# KiCad board AudioOutputPCB_Unbalanced.kicad_pcb
title: Unbalanced Analog Audio Output Board for SmallDSP; date: 2024-01-30; rev: 2.0; company: Till Heuer
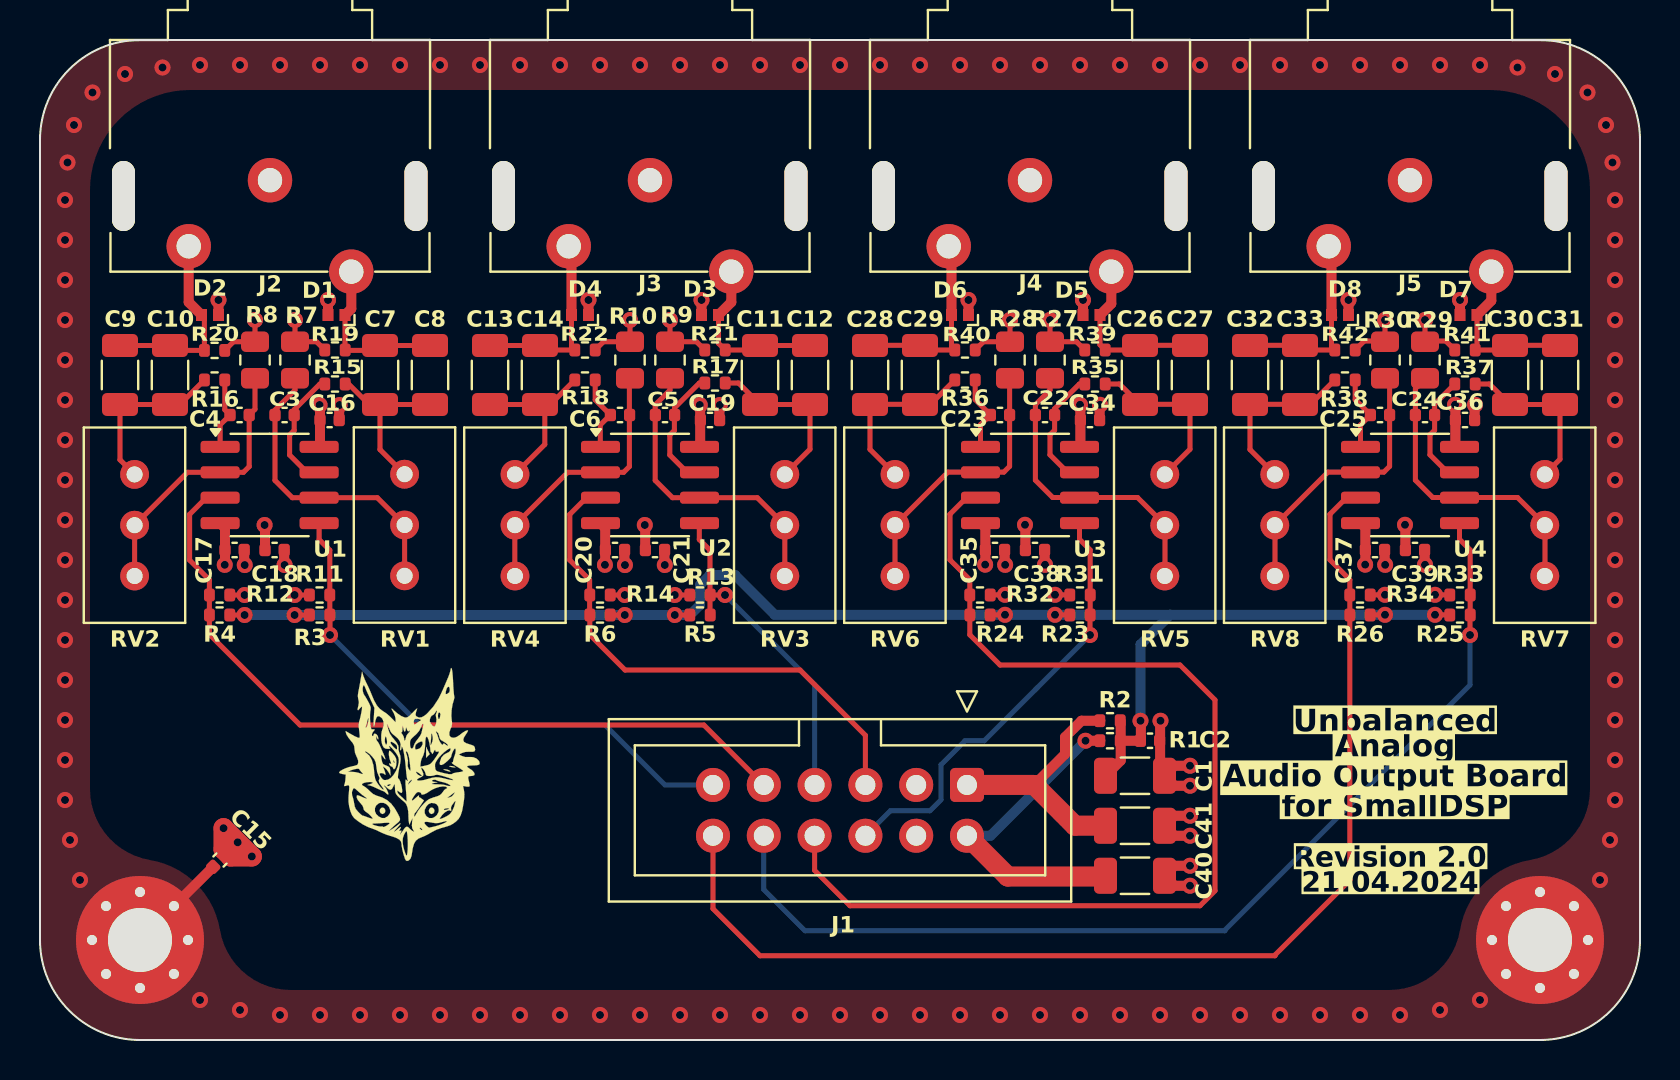
[diagram p0: board, top side]
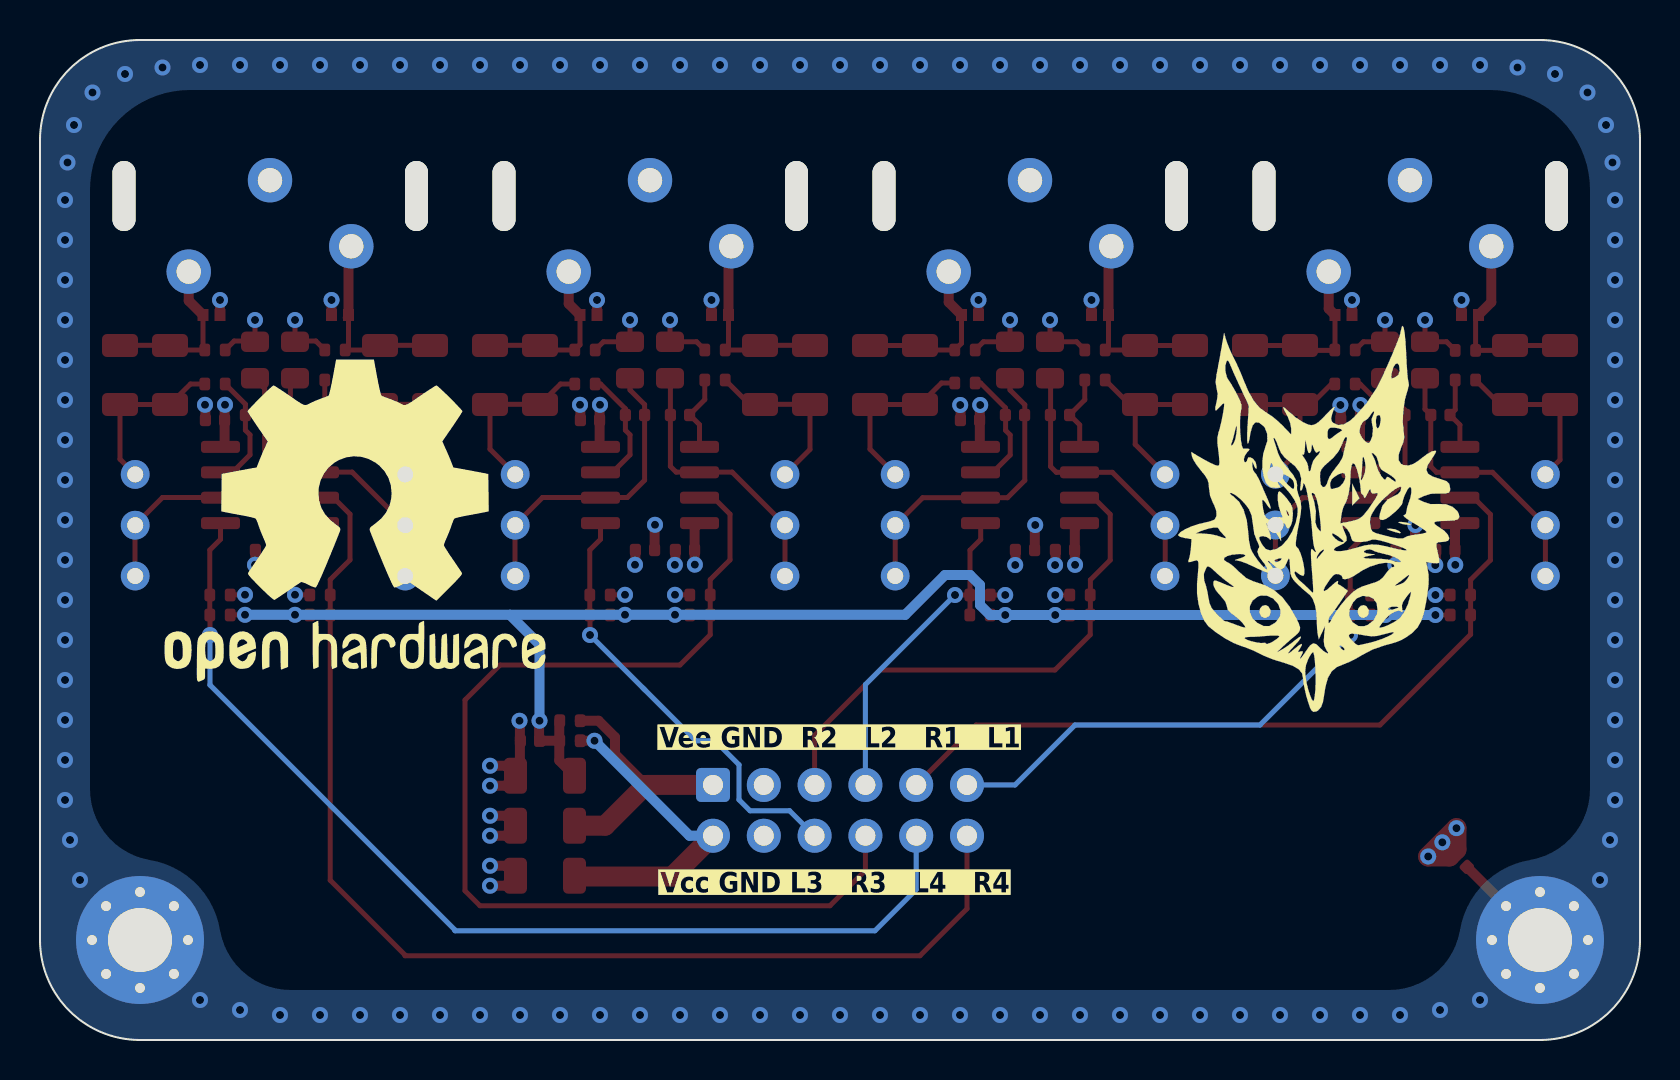
[diagram p1: board, bottom side, seen from below]

Outline 80 x 50 mm; copper layers: Top, In1.Cu, In2.Cu, Bottom. Coordinates in mm from the lower left corner of the outline.
Outline path: 0,45 0,5 arc(1.46,1.46) 5,0 75,0 arc(78.54,1.46) 80,5 80,45 arc(78.54,48.54) 75,50 5,50 arc(1.46,48.54) 0,45
Stack: Top 0.035mm / dielectric 0.1mm FR4 er 4.5 / In1.Cu 0.035mm / dielectric 1.24mm FR4 er 4.5 / In2.Cu 0.035mm / dielectric 0.1mm FR4 er 4.5 / Bottom 0.035mm

## Placement (name value [footprint] x y rotation side)
C1  10u  [C_1206_3216Metric]  54.75 13.21 180 top  (not fitted)
C2  100n  [C_0402_1005Metric]  55.5 14.96 0 top  (not fitted)
C3  10p  [C_0402_1005Metric]  12.23 31.25 0 top
C4  10p  [C_0402_1005Metric]  9.98 31.25 180 top
C5  10p  [C_0402_1005Metric]  31.25 31.25 0 top
C6  10p  [C_0402_1005Metric]  29 31.25 180 top
C7  100u  [C_1206_3216Metric]  17 33.25 90 top
C8  100u  [C_1206_3216Metric]  19.5 33.25 270 top
C9  100u  [C_1206_3216Metric]  4 33.25 90 top
C10  100u  [C_1206_3216Metric]  6.5 33.25 270 top
C11  100u  [C_1206_3216Metric]  36 33.25 90 top
C12  100u  [C_1206_3216Metric]  38.5 33.25 270 top
C13  100u  [C_1206_3216Metric]  22.5 33.25 90 top
C14  100u  [C_1206_3216Metric]  25 33.25 270 top
C15  100n  [C_0402_1005Metric]  9 9 45 top
C16  100n  [C_0402_1005Metric]  14.48 31 0 top
C17  100n  [C_0402_1005Metric]  9.73 24.5 180 top
C18  100n  [C_0402_1005Metric]  11.73 24.5 0 top
C19  100n  [C_0402_1005Metric]  33.5 31 0 top
C20  100n  [C_0402_1005Metric]  28.75 24.5 180 top
C21  100n  [C_0402_1005Metric]  30.75 24.5 0 top
C22  10p  [C_0402_1005Metric]  50.25 31.25 0 top
C23  10p  [C_0402_1005Metric]  48 31.25 180 top
C24  10p  [C_0402_1005Metric]  69.25 31.25 0 top
C25  10p  [C_0402_1005Metric]  67 31.25 180 top
C26  100u  [C_1206_3216Metric]  55 33.25 90 top
C27  100u  [C_1206_3216Metric]  57.5 33.25 270 top
C28  100u  [C_1206_3216Metric]  41.5 33.25 90 top
C29  100u  [C_1206_3216Metric]  44 33.25 270 top
C30  100u  [C_1206_3216Metric]  73.5 33.25 90 top
C31  100u  [C_1206_3216Metric]  76 33.25 270 top
C32  100u  [C_1206_3216Metric]  60.5 33.25 90 top
C33  100u  [C_1206_3216Metric]  63 33.25 270 top
C34  100n  [C_0402_1005Metric]  52.5 31 0 top
C35  100n  [C_0402_1005Metric]  47.75 24.5 180 top
C36  100n  [C_0402_1005Metric]  71.25 31 0 top
C37  100n  [C_0402_1005Metric]  66.75 24.5 180 top
C38  100n  [C_0402_1005Metric]  49.75 24.5 0 top
C39  100n  [C_0402_1005Metric]  68.75 24.5 0 top
C40  10u  [C_1206_3216Metric]  54.75 8.21 180 top
C41  10u  [C_1206_3216Metric]  54.75 10.71 0 top
D1  PESD18VF1BL  [DFN1006-2]  14.83 36.25 180 top
D2  PESD18VF1BL  [DFN1006-2]  8.5 36.25 180 top
D3  PESD18VF1BL  [DFN1006-2]  33.5 36.25 180 top
D4  PESD18VF1BL  [DFN1006-2]  27 36.25 180 top
D5  PESD18VF1BL  [DFN1006-2]  52.58 36.25 180 top
D6  PESD18VF1BL  [DFN1006-2]  46 36.25 180 top
D7  PESD18VF1BL  [DFN1006-2]  71.43 36.25 180 top
D8  PESD18VF1BL  [DFN1006-2]  65 36.25 180 top
G***  LOGO  [Strix_paint_600dpi]  18.5 13.75 0 top
G***#2  LOGO  [OpenHardware_600dpi]  64.25 26 180 bottom
G***#3  LOGO  [Strix_paint_300dpi]  16 26 180 bottom
H1  MountingHole_Pad  [MountingHole_3.2mm_M3_Pad_Via]  5 5 0 top
H2  MountingHole_Pad  [MountingHole_3.2mm_M3_Pad_Via]  75 5 0 top
J1  IDC  [IDC-Header_2x06_P2.54mm_Vertical]  46.35 12.75 270 top
J2  RCA x2  [Kobiconn_156-4219-E]  11.5 50 0 top
J3  RCA x2  [Kobiconn_156-4219-E]  30.5 50 0 top
J4  RCA x2  [Kobiconn_156-4219-E]  49.5 50 0 top
J5  RCA x2  [Kobiconn_156-4219-E]  68.5 50 0 top
R1  10k  [R_0402_1005Metric]  53.5 14.96 0 top  (not fitted)
R2  10k  [R_0402_1005Metric]  53.5 15.96 180 top  (not fitted)
R3  100k  [R_0402_1005Metric]  13.98 21.25 180 top  (not fitted)
R4  100k  [R_0402_1005Metric]  8.98 21.25 0 top  (not fitted)
R5  100k  [R_0402_1005Metric]  33 21.25 180 top  (not fitted)
R6  100k  [R_0402_1005Metric]  28 21.25 0 top  (not fitted)
R7  10k  [R_0805_2012Metric]  12.75 34 270 top
R8  10k  [R_0805_2012Metric]  10.75 34 270 top
R9  10k  [R_0805_2012Metric]  31.5 34 270 top
R10  10k  [R_0805_2012Metric]  29.5 34 270 top
R11  100k  [R_0402_1005Metric]  13.98 22.25 180 top
R12  100k  [R_0402_1005Metric]  8.98 22.25 0 top
R13  100k  [R_0402_1005Metric]  33 22.25 180 top
R14  100k  [R_0402_1005Metric]  28 22.25 0 top
R15  47R  [R_0402_1005Metric]  14.75 32.8 0 top
R16  47R  [R_0402_1005Metric]  8.73 33 180 top
R17  47R  [R_0402_1005Metric]  33.75 32.85 0 top
R18  47R  [R_0402_1005Metric]  27.25 33 180 top
R19  22k  [R_0402_1005Metric]  14.75 34.5 180 top
R20  22k  [R_0402_1005Metric]  8.73 34.48 0 top
R21  22k  [R_0402_1005Metric]  33.75 34.5 180 top
R22  22k  [R_0402_1005Metric]  27.25 34.5 0 top
R23  100k  [R_0402_1005Metric]  52 21.25 180 top  (not fitted)
R24  100k  [R_0402_1005Metric]  47 21.25 0 top  (not fitted)
R25  100k  [R_0402_1005Metric]  71 21.25 180 top  (not fitted)
R26  100k  [R_0402_1005Metric]  66 21.25 0 top  (not fitted)
R27  10k  [R_0805_2012Metric]  50.5 34 270 top
R28  10k  [R_0805_2012Metric]  48.5 34 270 top
R29  10k  [R_0805_2012Metric]  69.25 34 270 top
R30  10k  [R_0805_2012Metric]  67.25 34 270 top
R31  100k  [R_0402_1005Metric]  52 22.25 180 top
R32  100k  [R_0402_1005Metric]  47 22.25 0 top
R33  100k  [R_0402_1005Metric]  71 22.25 180 top
R34  100k  [R_0402_1005Metric]  66 22.25 0 top
R35  47R  [R_0402_1005Metric]  52.75 32.8 0 top
R36  47R  [R_0402_1005Metric]  46.25 33 180 top
R37  47R  [R_0402_1005Metric]  71.25 32.8 0 top
R38  47R  [R_0402_1005Metric]  65.25 33 180 top
R39  22k  [R_0402_1005Metric]  52.75 34.5 180 top
R40  22k  [R_0402_1005Metric]  46.25 34.5 0 top
R41  22k  [R_0402_1005Metric]  71.25 34.5 180 top
R42  22k  [R_0402_1005Metric]  65.25 34.5 0 top
RV1  Pot 100k  [Potentiometer_Bourns_3296W_Vertical]  18.23 23.21 270 top
RV2  Pot 100k  [Potentiometer_Bourns_3296W_Vertical]  4.73 23.2 270 top
RV3  Pot 100k  [Potentiometer_Bourns_3296W_Vertical]  37.24 23.2 270 top
RV4  Pot 100k  [Potentiometer_Bourns_3296W_Vertical]  23.75 23.2 270 top
RV5  Pot 100k  [Potentiometer_Bourns_3296W_Vertical]  56.24 23.2 270 top
RV6  Pot 100k  [Potentiometer_Bourns_3296W_Vertical]  42.75 23.2 270 top
RV7  Pot 100k  [Potentiometer_Bourns_3296W_Vertical]  75.24 23.2 270 top
RV8  Pot 100k  [Potentiometer_Bourns_3296W_Vertical]  61.74 23.2 270 top
U1  NE5532  [SOIC-8_3.9x4.9mm_P1.27mm]  11.48 27.75 0 top
U2  NE5532  [SOIC-8_3.9x4.9mm_P1.27mm]  30.5 27.75 0 top
U3  NE5532  [SOIC-8_3.9x4.9mm_P1.27mm]  49.5 27.75 0 top
U4  NE5532  [SOIC-8_3.9x4.9mm_P1.27mm]  68.5 27.75 0 top

## Library data of the parts
C1 C40 C41 = -: Assembling: X; ki_fp_filters: C_*
C2 = -: Dielectric: X7R; Notes: -25%@10VDC; Rated Voltage: 50V; Assembling: X; Manufacturer: Samsung Electro-Mechanics; Part Number: CL05B104KB54PNC; Tolerance: 10%; LCSC Part #: C307331; ki_fp_filters: C_*
C3-C6 C22-C25 = -: Assembling: X; Dielectric: C0G; Rated Voltage: 50V; Tolerance: 5%; ki_fp_filters: C_*
C7-C14 C26-C33 = -: Assembling: X; VC@OP: -30%; ki_fp_filters: C_*
C15 C18 C21 C38 C39 = -: Dielectric: X7R; Notes: -25%@10VDC; Rated Voltage: 50V; Assembling: X; JLC Part Number: C307331; Manufacturer: Samsung Electro-Mechanics; Part Number: CL05B104KB54PNC; Tolerance: 10%; ki_fp_filters: C_*
C16 C17 C19 C20 C34-C37 = -: Assembling: X; Dielectric: X7R; JLC Part Number: C307331; Manufacturer: Samsung Electro-Mechanics; Notes: -25%@10VDC; Part Number: CL05B104KB54PNC; Rated Voltage: 50V; Tolerance: 10%; ki_fp_filters: C_*
D1-D8 = -: Datasheet: https://www.lcsc.com/datasheet/lcsc_datasheet_2304140030_Nexperia-PESD18VF1BL_C265127.pdf; Assembling: X; Manufacturer: Nexperia; Notes: Alternative: C686660; ki_fp_filters: TO-???* *_Diode_* *SingleDiode* D_*
H1 H2 = -: JLC Part Number: -; Manufacturer: -; Part Number: -; ki_fp_filters: MountingHole*Pad*
J1 = -: Manufacturer: Amphenol; Part Number: 75869-302LF; ki_fp_filters: Connector*:*_2x??_*
J2-J5 = -: JLC Part Number: -; Manufacturer: Kobiconn; Part Number: 156-4219-E; ki_fp_filters: *BNC* *SMA* *SMB* *SMC* *Cinch* *LEMO*
R1 R2 = -: Assembling: X; Manufacturer: UNI-ROYAL(Uniroyal Elec); Rated Power: 62.5mW; Part Number: 0402WGF1002TCE; Tolerance: 1%; ki_fp_filters: R_*
R3-R6 R11-R14 R23-R26 R31-R34 = -: Assembling: X; Manufacturer: UNI-ROYAL(Uniroyal Elec); Rated Power: 62.5mW; Part Number: 0402WGF1003TCE; Tolerance: 1%; ki_fp_filters: R_*
R7-R10 R27-R30 = -: Assembling: X; JLC Part Number: C217770; Manufacturer: Viking Tech; Part Number: ARG05FTC1002; Rated Power: 125mW; Tolerance: 1%; ki_fp_filters: R_*
R15-R18 R35-R38 = -: Assembling: X; JLC Part Number: C25118; Manufacturer: UNI-ROYAL(Uniroyal Elec); Part Number: 0402WGF470JTCE; Rated Power: 62.5mW; Tolerance: 1%; ki_fp_filters: R_*
R19-R22 R39-R42 = -: Assembling: X; Rated Power: 62.5mW; Tolerance: 1%; ki_fp_filters: R_*
RV1-RV8 = -: Description: Potentiometer; JLC Part Number: C118963; Manufacturer: BOCHEN(Chengdu Guosheng Tech); Part Number: 3296W-1-104; ki_fp_filters: Potentiometer*
U1-U4 = -: Assembling: X; JLC Part Number: C7426; Manufacturer: Texas Instruments; Part Number: NE5532DR; ki_fp_filters: SOIC*3.9x4.9mm*P1.27mm* DIP*W7.62mm* MSOP*3x3mm*P0.65mm* SSOP*2.95x2.8mm*P0.65mm* TSSOP*3x3mm*P0.65mm* VSSOP*P0.5mm* TO?99*

## Footprints (pads in the part's own frame, mm; a bottom-side part is the same pattern mirrored in y, then rotated)
C_0402_1005Metric
  rrect 0.56x0.62 smd: 1(-0.48,0) 2(0.48,0)
C_1206_3216Metric
  rrect 1.15x1.8 smd: 1(-1.475,0) 2(1.475,0)
DFN1006-2
  rect 0.55x0.6 smd: 1(-0.425,0) 2(0.425,0)
IDC-Header_2x06_P2.54mm_Vertical
  rrect 1.7x1.7 hole 1: 1(0,0)
  round 1.7 hole 1: 2(2.54,0) 3(0,-2.54) 4(2.54,-2.54) 5(0,-5.08) 6(2.54,-5.08) 7(0,-7.62) 8(2.54,-7.62) 9(0,-10.16) 10(2.54,-10.16) 11(0,-12.7) 12(2.54,-12.7)
Kobiconn_156-4219-E
  oval 1.15x3.5 hole 1.15x3.5 unplated: (-7.325,-7.8) (7.3,-7.8)
  round 2.219 hole 1.219: 1(4.064,-11.582) 2(-4.064,-10.312) 3(0,-7.01)
MountingHole_3.2mm_M3_Pad_Via
  round 0.8 hole 0.5: 1(-2.4,0) 1(-1.697,1.697) 1(-1.697,-1.697) 1(0,2.4) 1(0,-2.4) 1(1.697,1.697) 1(1.697,-1.697) 1(2.4,0)
  round 6.4 hole 3.2: 1(0,0)
Potentiometer_Bourns_3296W_Vertical
  round 1.44 hole 0.8: 1(0,0) 2(-2.54,0) 3(-5.08,0)
R_0402_1005Metric
  rrect 0.54x0.64 smd: 1(-0.51,0) 2(0.51,0)
R_0805_2012Metric
  rrect 1.025x1.4 smd: 1(-0.912,0) 2(0.912,0)
SOIC-8_3.9x4.9mm_P1.27mm
  rrect 1.95x0.6 smd: 1(-2.475,1.905) 2(-2.475,0.635) 3(-2.475,-0.635) 4(-2.475,-1.905) 5(2.475,-1.905) 6(2.475,-0.635) 7(2.475,0.635) 8(2.475,1.905)

## Nets
GND: C1.1 C2.2 C15.2 C16.2 C17.1 C19.2 C20.1 C34.2 C35.1 C36.2 C37.1 C40.1 C41.2 J1.3 J1.4 J2.3 J3.3 J4.3 J5.3 R7.1 R8.1 R9.1 R10.1 R11.2 R12.2 R13.2 R14.2 R19.2 R20.2 R21.2 R22.2 R27.1 R28.1 R29.1 R30.1 R31.2 R32.2 R33.2 R34.2 R39.2 R40.2 R41.2 R42.2
VCC: C16.1 C18.1 C19.1 C21.1 C34.1 C36.1 C38.1 C39.1 C40.2 J1.2 R1.1 U1.8 U2.8 U3.8 U4.8
VEE: C17.2 C18.2 C20.2 C21.2 C35.2 C37.2 C38.2 C39.2 C41.1 J1.1 R2.2 U1.4 U2.4 U3.4 U4.4
/Out L1: J1.11 R3.1 R11.1 U1.5
/Out L2: J1.7 R5.1 R13.1 U2.5
/Out L3: J1.6 R23.1 R31.1 U3.5
/Out L4: J1.10 R25.1 R33.1 U4.5
/Out R1: J1.9 R4.1 R12.1 U1.3
/Out R2: J1.5 R6.1 R14.1 U2.3
/Out R3: J1.8 R24.1 R32.1 U3.3
/Out R4: J1.12 R26.1 R34.1 U4.3
Earth_Protective: C15.1 D1.2 D2.1 D3.2 D4.1 D5.2 D6.1 D7.2 D8.1 H1.1 H2.1
VCOM: C1.2 C2.1 R1.2 R2.1 R3.2 R4.2 R5.2 R6.2 R23.2 R24.2 R25.2 R26.2
Net-(C3-Pad2): C3.2 R15.1 U1.7
Net-(C4-Pad2): C4.2 R16.1 U1.1
Net-(C5-Pad2): C5.2 R17.1 U2.7
Net-(C6-Pad2): C6.2 R18.1 U2.1
Net-(C7-Pad1): C7.1 C8.2 R15.2 RV1.3
Net-(C10-Pad2): C9.1 C10.2 R16.2 RV2.3
Net-(C11-Pad1): C11.1 C12.2 R17.2 RV3.3
Net-(C13-Pad1): C13.1 C14.2 R18.2 RV4.3
Net-(C22-Pad2): C22.2 R35.1 U3.7
Net-(C23-Pad2): C23.2 R36.1 U3.1
Net-(C24-Pad2): C24.2 R37.1 U4.7
Net-(C25-Pad2): C25.2 R38.1 U4.1
Net-(C26-Pad1): C26.1 C27.2 R35.2 RV5.3
Net-(C28-Pad1): C28.1 C29.2 R36.2 RV6.3
Net-(C30-Pad1): C30.1 C31.2 R37.2 RV7.3
Net-(C32-Pad1): C32.1 C33.2 R38.2 RV8.3
Net-(D1-A1): C7.2 C8.1 D1.1 J2.1 R19.1
Net-(D2-A2): C9.2 C10.1 D2.2 J2.2 R20.1
Net-(D3-A1): C11.2 C12.1 D3.1 J3.1 R21.1
Net-(D4-A2): C13.2 C14.1 D4.2 J3.2 R22.1
Net-(D5-A1): C26.2 C27.1 D5.1 J4.1 R39.1
Net-(D6-A2): C28.2 C29.1 D6.2 J4.2 R40.1
Net-(D7-A1): C30.2 C31.1 D7.1 J5.1 R41.1
Net-(D8-A2): C32.2 C33.1 D8.2 J5.2 R42.1
Net-(U1A--): C4.1 R8.2 RV2.1 RV2.2 U1.2
Net-(U1B--): C3.1 R7.2 RV1.1 RV1.2 U1.6
Net-(U2A--): C6.1 R10.2 RV4.1 RV4.2 U2.2
Net-(U2B--): C5.1 R9.2 RV3.1 RV3.2 U2.6
Net-(U3A--): C23.1 R28.2 RV6.1 RV6.2 U3.2
Net-(U3B--): C22.1 R27.2 RV5.1 RV5.2 U3.6
Net-(U4A--): C25.1 R30.2 RV8.1 RV8.2 U4.2
Net-(U4B--): C24.1 R29.2 RV7.1 RV7.2 U4.6

## Via types
v1: diameter 0.8, hole 0.4, Top to Bottom, 184 vias

## Routing (per net, layer and track width the routed paths; a pad name or vN(x,y) marks a point on that pad's centre or on a via; arc(x,y) is an arc through that point)
GND: length 51
  Top w0.25: 51.49,22.26 v1(50.75,22.26) ; R22.2 28.17,34.91 R10.1 v1(29.5,36) ; v1(12.75,36) R7.1 13.83,34.91 R19.2 ; R11.2 v1(12.73,22.25) ; v1(50.5,36) R27.1 51.83,34.91 R39.2 ; R40.2 47.17,34.91 R28.1 v1(48.5,36) ; 70.49,22.26 v1(69.75,22.26) ; v1(10.75,36) R8.1 9.67,34.91 R20.2 ; v1(69.25,36) 69.25,34.95 70.29,34.95 R41.2 ; 28.5,22.25 v1(29.24,22.25) ; v1(31.5,36) R9.1 32.83,34.91 R21.2 ; 66.51,22.26 v1(67.25,22.26) ; 32.48,22.25 v1(31.74,22.25) ; R12.2 v1(10.23,22.25) ; R42.2 66.21,34.95 67.25,34.95 v1(67.25,36) ; 47.51,22.26 v1(48.25,22.26)
  Top w0.5: 33.97,31 33.97,31.73 ; 67.23,24.51 67.23,23.78 v1(67.26,23.76) ; C17.1 10.21,23.77 v1(10.24,23.75) ; v1(57.5,10.21) 56.73,10.21 56.23,10.71 56.73,11.21 v1(57.5,11.21) ; C16.2 14.96,31.73 v1(14.98,31.75) ; 56.01,13.43 56,15.94 v1(56.03,15.96) ; v1(57.5,13.71) 56.73,13.71 C1.1 56.73,12.71 v1(57.5,12.71) ; 29.22,24.5 29.22,23.77 v1(29.25,23.75) ; 48.23,24.51 48.23,23.78 v1(48.26,23.76) ; 71.73,31.01 71.73,31.74 v1(71.75,31.76) ; v1(57.5,7.71) 56.73,7.71 C40.1 56.73,8.71 v1(57.5,8.71) ; 52.98,31.01 52.98,31.74
  Top w1: 9.18,9.53 9.53,9.18 v1(10.59,9.18) v1(9.18,10.59) 9.18,9.53
  vias: v1(9.88,9.88) v1(33.99,31.75) v1(53,31.76)
VCC: length 29.7
  Top w0.5: 33.01,29.7 33.01,31.73 v1(32.99,31.75) ; v1(68.25,25.76) 68.27,25.74 68.27,24.51 ; 14,29.7 C16.1 14,31.73 v1(13.98,31.75) ; 49.27,24.51 49.27,25.74 v1(49.25,25.76) ; v1(11.23,25.75) 11.25,25.73 C18.1 ; 51.97,29.67 52.02,29.71 52.02,31.74 v1(52,31.76) ; 53.02,14.96 v1(52.28,14.96) ; 70.77,29.71 70.77,31.74 v1(70.75,31.76) ; 30.26,24.5 30.26,25.73 v1(30.24,25.75)
  Top w1: 53.24,8.17 48.39,8.17 J1.2
  Bottom w0.5: J1.2 47.53,10.21 v1(52.28,14.96)
VEE: length 24.7
  Top w0.5: 50.23,24.51 50.23,23.78 v1(50.25,23.76) ; 28.02,25.85 28.26,25.6 28.26,23.77 v1(28.25,23.76) ; v1(31.24,23.75) 31.22,23.77 31.22,24.5 ; C18.2 12.21,23.77 v1(12.23,23.75) ; 47.03,25.86 47.27,25.61 47.27,23.78 v1(47.26,23.77) ; v1(69.25,23.76) 69.23,23.78 69.23,24.51 ; 53.02,15.96 52.07,15.96 51.25,15.14 51.25,14.29 49.71,12.75 ; 66.03,25.86 66.27,25.61 66.27,23.78 v1(66.26,23.77) ; v1(9.24,23.76) 9.25,23.77 C17.2 9.25,25.6 9,25.84
  Top w1: J1.1 49.71,12.75 51.75,10.72 53.27,10.72
/Out L1: length 28.1
  Top w0.25: U1.5 13.95,25.03 14.49,24.49 R11.1 R3.1 ; v1(14.5,20.25) 14.5,21.24
  Bottom w0.25: v1(14.5,20.25) 19,15.75 28.25,15.75 31.25,12.75 J1.11
/Out L2: length 16.9
  Top w0.25: v1(34.25,22.25) R13.1 ; 33.5,21.25 33.5,24.49 32.97,25.03 32.97,25.85
  Bottom w0.25: v1(34.25,22.25) 38.73,17.77 J1.7
/Out L3: length 22.4
  Top w0.25: 51.97,25.86 51.97,25.03 52.51,24.5 52.51,21.26 ; v1(52.5,20.25) 52.5,21.24
  Bottom w0.25: 49.88,17.62 47.21,14.96 46.25,14.96 45.05,13.76 45.05,12.01 44.5,11.46 42.52,11.46 J1.6 ; v1(52.5,20.25) 49.75,17.5
/Out L4: length 52.3
  Top w0.25: 71.51,21.26 71.51,24.5 70.97,25.03 70.97,25.86 ; v1(71.5,20.25) 71.5,21.24
  Bottom w0.25: J1.10 36.19,7.52 38.25,5.46 59.25,5.46 59.25,5.5 71.5,17.75 v1(71.5,20.25)
/Out R1: length 38.4
  Top w0.25: J1.9 33.19,15.75 13,15.75 8.47,20.28 R4.1 R12.1 8.47,23 7.48,24 7.48,26.28 8.31,27.11
/Out R2: length 26
  Top w0.25: R6.1 27.49,20.26 29.25,18.5 38,18.5 41.27,15.23 J1.5 ; 27.48,21.25 27.48,23 26.49,24 26.49,26.28 27.32,27.12
/Out R3: length 53.6
  Top w0.25: 46.49,21.26 46.49,23.01 45.5,24 45.5,26.29 46.33,27.12 ; J1.8 38.73,8.48 40.5,6.71 58,6.71 58.75,7.46 58.75,17 57,18.75 48,18.75 46.49,20.26 R24.1
/Out R4: length 57.9
  Top w0.25: 65.49,21.26 65.49,23.01 64.5,24 64.5,26.29 65.33,27.12 ; J1.12 33.65,6.56 36,4.21 61.75,4.21 61.75,4.25 65.49,7.99 R26.1
Earth_Protective: length 8.8
  Top w0.5: D3.2 v1(33.08,37) ; D8.1 v1(65.43,37) ; C15.1 H1.1 ; D1.2 v1(14.4,37) ; D4.1 v1(27.42,37) ; D6.1 v1(46.42,37) ; D2.1 v1(8.92,37) ; v1(52.15,37) D5.2 ; D7.2 v1(71,37)
  vias: v1(1.25,42) v1(1.25,40) v1(1.25,38) v1(1.25,36) v1(1.25,34) v1(1.25,30) v1(1.25,28) v1(1.25,26) v1(1.25,24) v1(1.25,22) v1(1.25,20) v1(1.25,18) v1(1.25,16) v1(1.25,14) v1(1.25,12) v1(1.25,32) v1(1.38,43.88) v1(1.5,10) v1(1.7,45.75) v1(2,8) v1(2.62,47.38) v1(4.25,48.3) v1(6.12,48.62) v1(8,48.75) v1(8,2) v1(10,48.75) v1(10,1.5) v1(12,48.75) v1(12,1.25) v1(14,48.75) v1(14,1.25) v1(16,48.75) v1(16,1.25) v1(18,48.75) v1(18,1.25) v1(20,48.75) v1(20,1.25) v1(22,48.75) v1(22,1.25) v1(24,48.75) v1(24,1.25) v1(26,48.75) v1(26,1.25) v1(28,48.75) v1(28,1.25) v1(30,48.75) v1(30,1.25) v1(32,48.75) v1(32,1.25) v1(34,48.75) v1(34,1.25) v1(36,48.75) v1(36,1.25) v1(38,48.75) v1(38,1.25) v1(40,48.75) v1(40,1.25) v1(42,48.75) v1(42,1.25) v1(44,48.75) v1(44,1.25) v1(46,48.75) v1(46,1.25) v1(48,48.75) v1(48,1.25) v1(50,48.75) v1(50,1.25) v1(52,48.75) v1(52,1.25) v1(54,48.75) v1(54,1.25) v1(56,48.75) v1(56,1.25) v1(58,48.75) v1(58,1.25) v1(60,48.75) v1(60,1.25) v1(62,48.75) v1(62,1.25) v1(64,48.75) v1(64,1.25) v1(66,48.75) v1(66,1.25) v1(68,48.75) v1(68,1.25) v1(70,48.75) v1(70,1.5) v1(72,48.75) v1(72,2) v1(73.88,48.62) v1(75.75,48.3) v1(77.38,47.38) v1(78,8) v1(78.3,45.75) v1(78.5,10) v1(78.62,43.88) v1(78.75,28) v1(78.75,26) v1(78.75,18) v1(78.75,16) v1(78.75,14) v1(78.75,12) v1(78.75,42) v1(78.75,40) v1(78.75,38) v1(78.75,36) v1(78.75,34) v1(78.75,32) v1(78.75,30) v1(78.75,24) v1(78.75,22) v1(78.75,20)
VCOM: length 78.7
  Top w0.25: 28.5,21.25 v1(29.24,21.25) ; 32.48,21.25 v1(31.74,21.25) ; 70.49,21.26 v1(69.75,21.26) ; R3.2 v1(12.73,21.25) ; 51.49,21.26 v1(50.75,21.26) ; R4.2 v1(10.23,21.25) ; 47.51,21.26 v1(48.25,21.26) ; 66.51,21.26 v1(67.25,21.26)
  Top w0.5: v1(55.03,15.96) 55.05,15.94 55.05,14.96 54.03,14.96 ; C1.2 54.03,13.97 54.03,14.96 ; 54.03,14.96 54.03,15.96
  Bottom w0.5: 56.51,21.26 v1(67.25,21.26) v1(69.75,21.26) ; 56.51,21.26 55.03,19.78 v1(55.03,15.96) ; 56.51,21.26 v1(50.75,21.26) v1(48.25,21.26) 36.74,21.26 34.75,23.25 33.5,23.25 33,22.75 33,21.75 32.5,21.25 v1(31.74,21.25) v1(29.24,21.25) v1(12.73,21.25) v1(10.23,21.25)
Net-(C3-Pad2): length 5.7
  Top w0.25: 13.34,28.39 12.48,29.25 12.48,30.25 12.71,30.48 C3.2 12.71,31.51 14,32.8 R15.1 14.24,32.78
Net-(C4-Pad2): length 3.7
  Top w0.25: 9,29.66 9,30.75 C4.2 9.24,31.51 R16.1
Net-(C5-Pad2): length 5.7
  Top w0.25: C5.2 31.73,31.61 32.97,32.85 R17.1 ; 32.36,28.39 31.49,29.25 31.49,30.25 31.72,30.48 31.72,31.25
Net-(C6-Pad2): length 3.9
  Top w0.25: R18.1 27.76,32.01 C6.2 ; 28.51,31.25 28.02,30.76 28.02,29.66
Net-(C7-Pad1): length 8.1
  Top w0.25: C8.2 C7.1 17,29.52 RV1.3 ; 16.46,31.77 15.43,32.8 R15.2
Net-(C10-Pad2): length 8.5
  Top w0.25: C10.2 C9.1 4,29.01 RV2.3 ; 6.5,31.77 7,31.77 R16.2
Net-(C11-Pad1): length 8.7
  Top w0.25: C12.2 38.5,29.54 RV3.3 ; R17.2 34.92,32.85 C11.1 ; 35.74,31.78 38.24,31.78
Net-(C13-Pad1): length 8.9
  Top w0.25: 23.74,28.28 25.24,29.78 25.24,31.78 22.74,31.78 ; C14.2 25.51,31.77 R18.2
Net-(C22-Pad2): length 5.7
  Top w0.25: 50.73,31.26 50.73,30.49 50.5,30.26 50.5,29.26 51.36,28.39 ; R35.1 51.97,32.8 50.73,31.56 C22.2
Net-(C23-Pad2): length 3.9
  Top w0.25: 47.03,29.67 47.03,30.77 47.52,31.26 46.76,32.02 R36.1
Net-(C24-Pad2): length 5.3
  Top w0.25: 70.37,28.39 69.5,29.26 69.5,30.26 69.73,30.49 69.73,31.26 ; C24.2 69.73,31.79 R37.1
Net-(C25-Pad2): length 3.9
  Top w0.25: 66.52,31.26 65.76,32.02 R38.1 ; U4.1 66.03,30.75 C25.2
Net-(C26-Pad1): length 8.7
  Top w0.25: R35.2 53.97,32.8 C26.1 ; RV5.3 57.5,29.54 C27.2 ; 54.75,31.78 57.25,31.78
Net-(C28-Pad1): length 8.8
  Top w0.25: 44.25,31.78 41.75,31.78 ; C29.2 44.51,31.77 R36.2 ; C28.1 41.5,29.53 RV6.3
Net-(C30-Pad1): length 8.5
  Top w0.25: RV7.3 76,29.04 C31.2 C30.1 72.47,32.8 R37.2
Net-(C32-Pad1): length 8.2
  Top w0.25: RV8.3 60.5,29.52 C32.1 ; 63.25,31.78 60.75,31.78 ; R38.2 63.52,31.78
Net-(D1-A1): length 7.8
  Top w0.25: 15.28,34.48 16.48,34.48 ; R19.1 15.25,34.51 D1.1 ; C7.2 C8.1
  Top w0.5: J2.1 15.56,36.56 D1.1
Net-(D2-A2): length 9.5
  Top w0.25: 6.75,34.48 R20.1 8.22,36.11 D2.2 ; C10.1 C9.2
  Top w0.5: D2.2 7.44,36.89 J2.2
Net-(D3-A1): length 8.7
  Top w0.25: 35.74,34.73 38.24,34.73 ; D3.1 33.92,34.83 R21.1 35.77,34.5 C11.2
  Top w0.5: J3.1 34.56,36.89 D3.1
Net-(D4-A2): length 9.6
  Top w0.25: 25.24,34.73 22.74,34.73 ; C14.1 25.23,34.5 R22.1 26.58,34.67 D4.2
  Top w0.5: J3.2 26.58,39.55 D4.2
Net-(D5-A1): length 8.6
  Top w0.25: 54.75,34.74 57.25,34.74 ; C26.2 54.77,34.5 R39.1 53,34.76 D5.1
  Top w0.5: J4.1 53.56,36.81 D5.1
Net-(D6-A2): length 9.6
  Top w0.25: D6.2 45.58,34.67 R40.1 44.23,34.5 C29.1 ; 44.25,34.74 41.75,34.74
  Top w0.5: D6.2 45.58,39.55 J4.2
Net-(D7-A1): length 8.7
  Top w0.25: 71.93,36.17 D7.1 71.85,34.59 R41.1 73.27,34.5 C30.2 ; 73.75,34.74 76.25,34.74
  Top w0.5: D7.1 72.56,36.96 J5.1
Net-(D8-A2): length 9.9
  Top w0.25: 63.25,34.74 60.75,34.74 ; 64.59,36.26 64.74,36.11 ; C33.1 63.23,34.5 R42.1 64.57,34.67 D8.2
  Top w0.5: D8.2 64.57,39.55 J5.2
Net-(U1A--): length 14
  Top w0.25: R8.2 10.75,31.54 C4.1 10.46,28.67 10.17,28.39 7.38,28.39 RV2.2 RV2.1
Net-(U1B--): length 15.5
  Top w0.25: R7.2 12.75,32.5 11.75,31.5 C3.1 11.75,27.98 12.61,27.11 U1.6 16.86,27.11 RV1.2 RV1.1
Net-(U2A--): length 13.9
  Top w0.25: R10.2 29.47,33.06 29.47,28.67 29.18,28.39 26.39,28.39 23.74,25.74 23.74,23.2
Net-(U2B--): length 15.4
  Top w0.25: R9.2 31.5,32.5 30.76,31.76 30.76,27.98 31.63,27.12 35.87,27.12 RV3.2 37.24,23.21
Net-(U3A--): length 13.9
  Top w0.25: 42.75,23.21 42.75,25.75 45.39,28.39 48.19,28.39 48.48,28.68 48.48,33.07 R28.2
Net-(U3B--): length 15.3
  Top w0.25: R27.2 50.5,32.5 49.77,31.77 C22.1 49.77,27.99 50.64,27.12 54.88,27.12 56.25,25.75 56.25,23.22
Net-(U4A--): length 14
  Top w0.25: 61.75,23.21 61.75,25.75 64.4,28.39 67.19,28.39 67.48,28.68 67.48,31.26 ; C25.1 67.48,32.82 67.25,33.05
Net-(U4B--): length 15.2
  Top w0.25: 69.25,33.05 68.77,32.57 C24.1 68.77,27.99 69.63,27.12 73.88,27.12 75.25,25.75 75.25,23.22

## Copper pours and planes (outline as drawn; the poured copper is in the pictures)
GND on In1.Cu: 80,50 80,5 0,5 0,50
VCC on In2.Cu: 0,11.25 0,0 80,0 80,34.5 0,34.5 0,25 70.75,25 70.75,11.25
VEE on In2.Cu: 0,24.5 70.25,24.5 70.25,11.75 0,11.75
Earth_Protective on Top, Bottom, In1.Cu, In2.Cu: 80,50 80,0 0,0 0,50 65,50 65,47.5 2.5,47.5 2.5,9.5 8.5,8.5 9.5,2.5 70.5,2.5 71.5,8.5 77.5,9.5 77.5,47.5 65,47.5 65,50
Earth_Protective on In2.Cu: 0,50 0,35 80,35 80,50

## Text on the board
B.Silkscreen: Vee GND  R2   L2   R1   L1 | Vcc GND L3   R3   L4   R4
F.Silkscreen: Revision 2.0 | 21.04.2024 | Unbalanced | Analog | Audio Output Board | for SmallDSP
